# Altium PCB PCB_Project_Final.PcbDoc
Units mm, origin at the board's own origin, x right, y up, seen from the top; angles counter-clockwise.
Board outline 92.08 x 86.99 mm, 2 copper layers (Top Layer, Bottom Layer); 83 components, 57 nets, 292 pads, 64 vias.
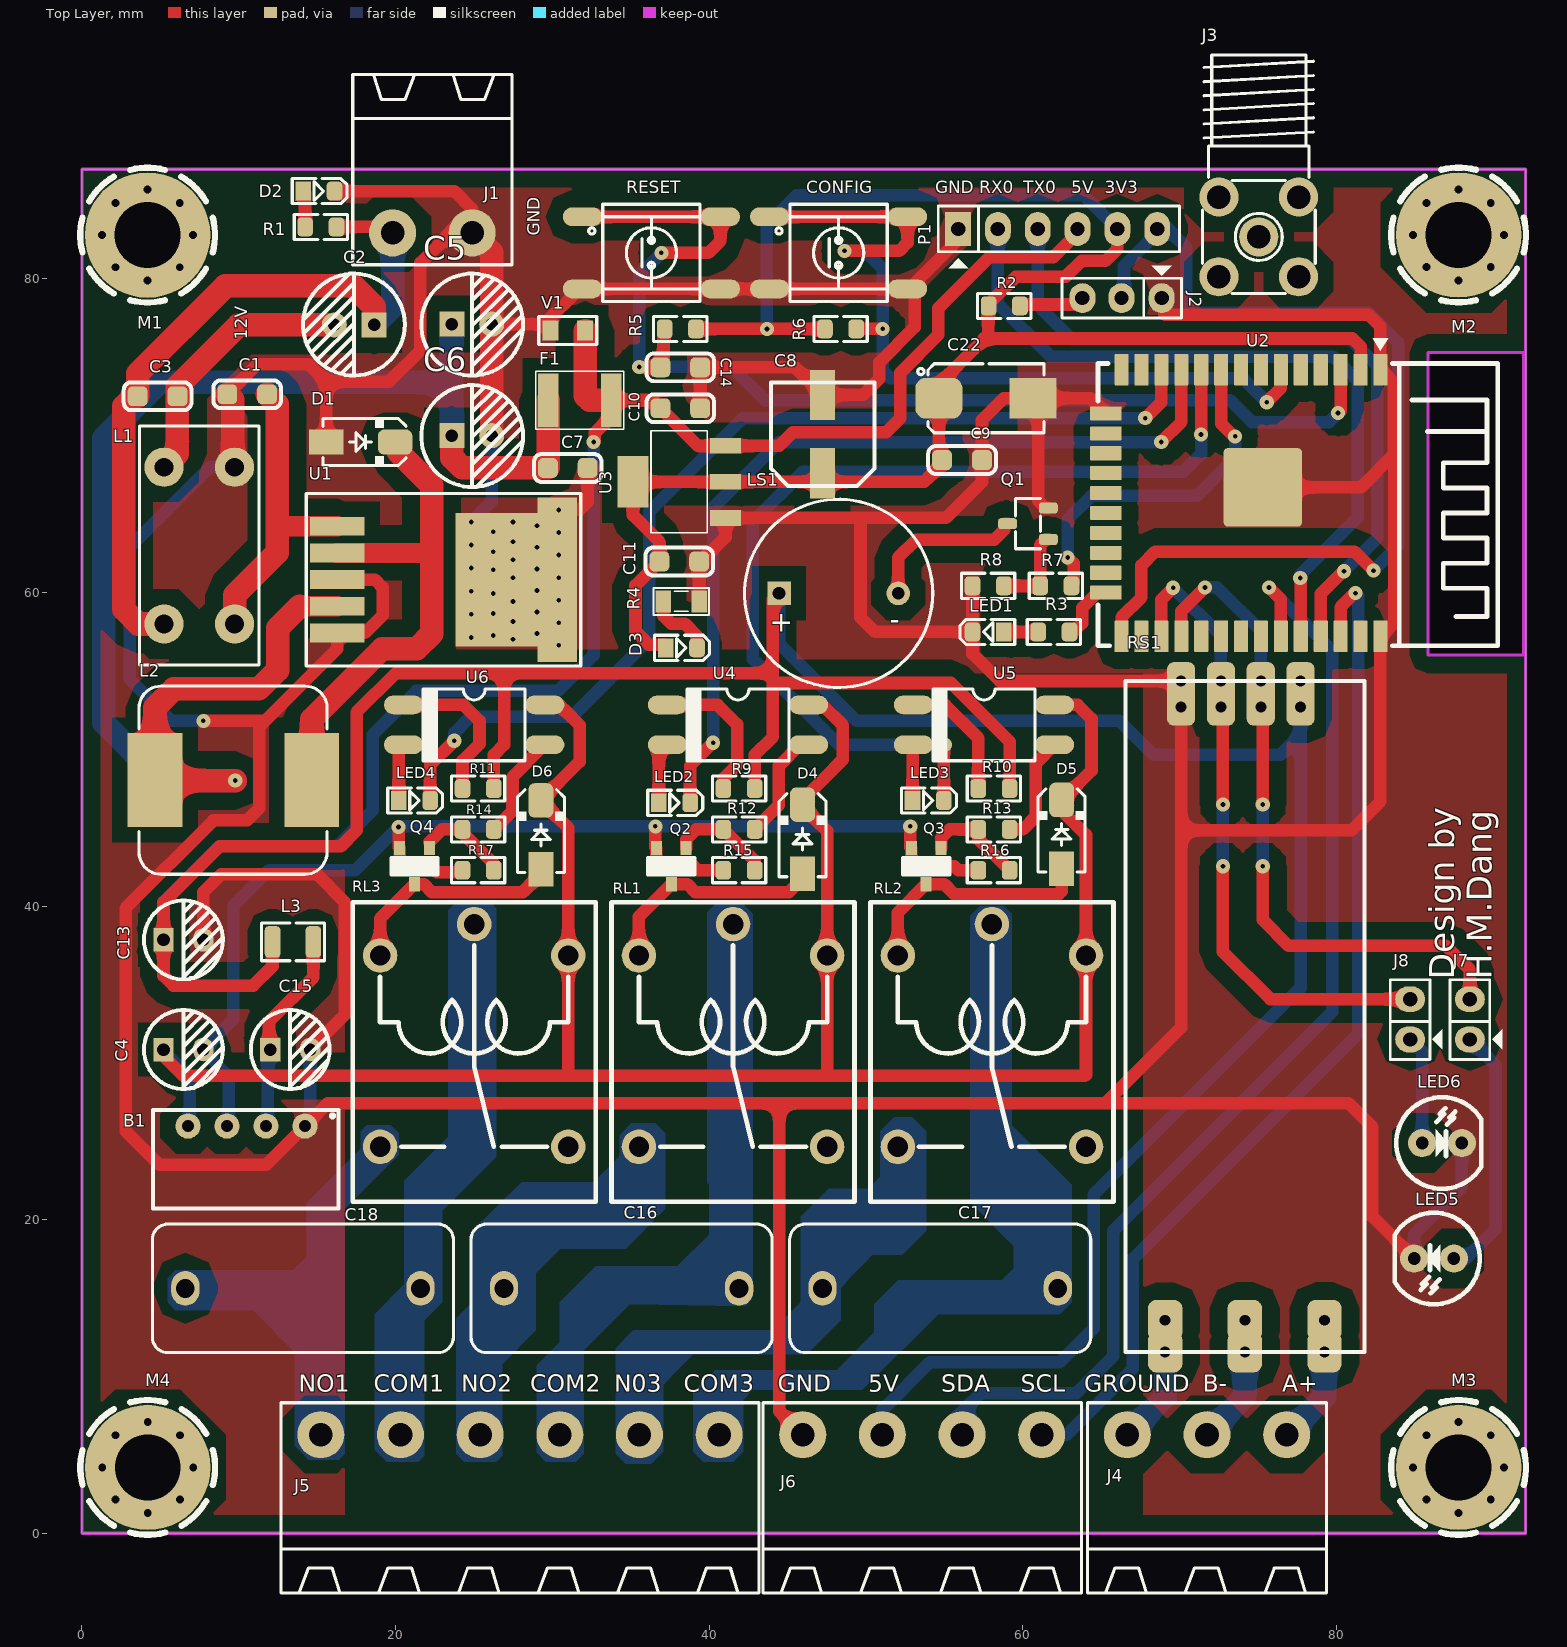
[diagram p0: Top Layer view]
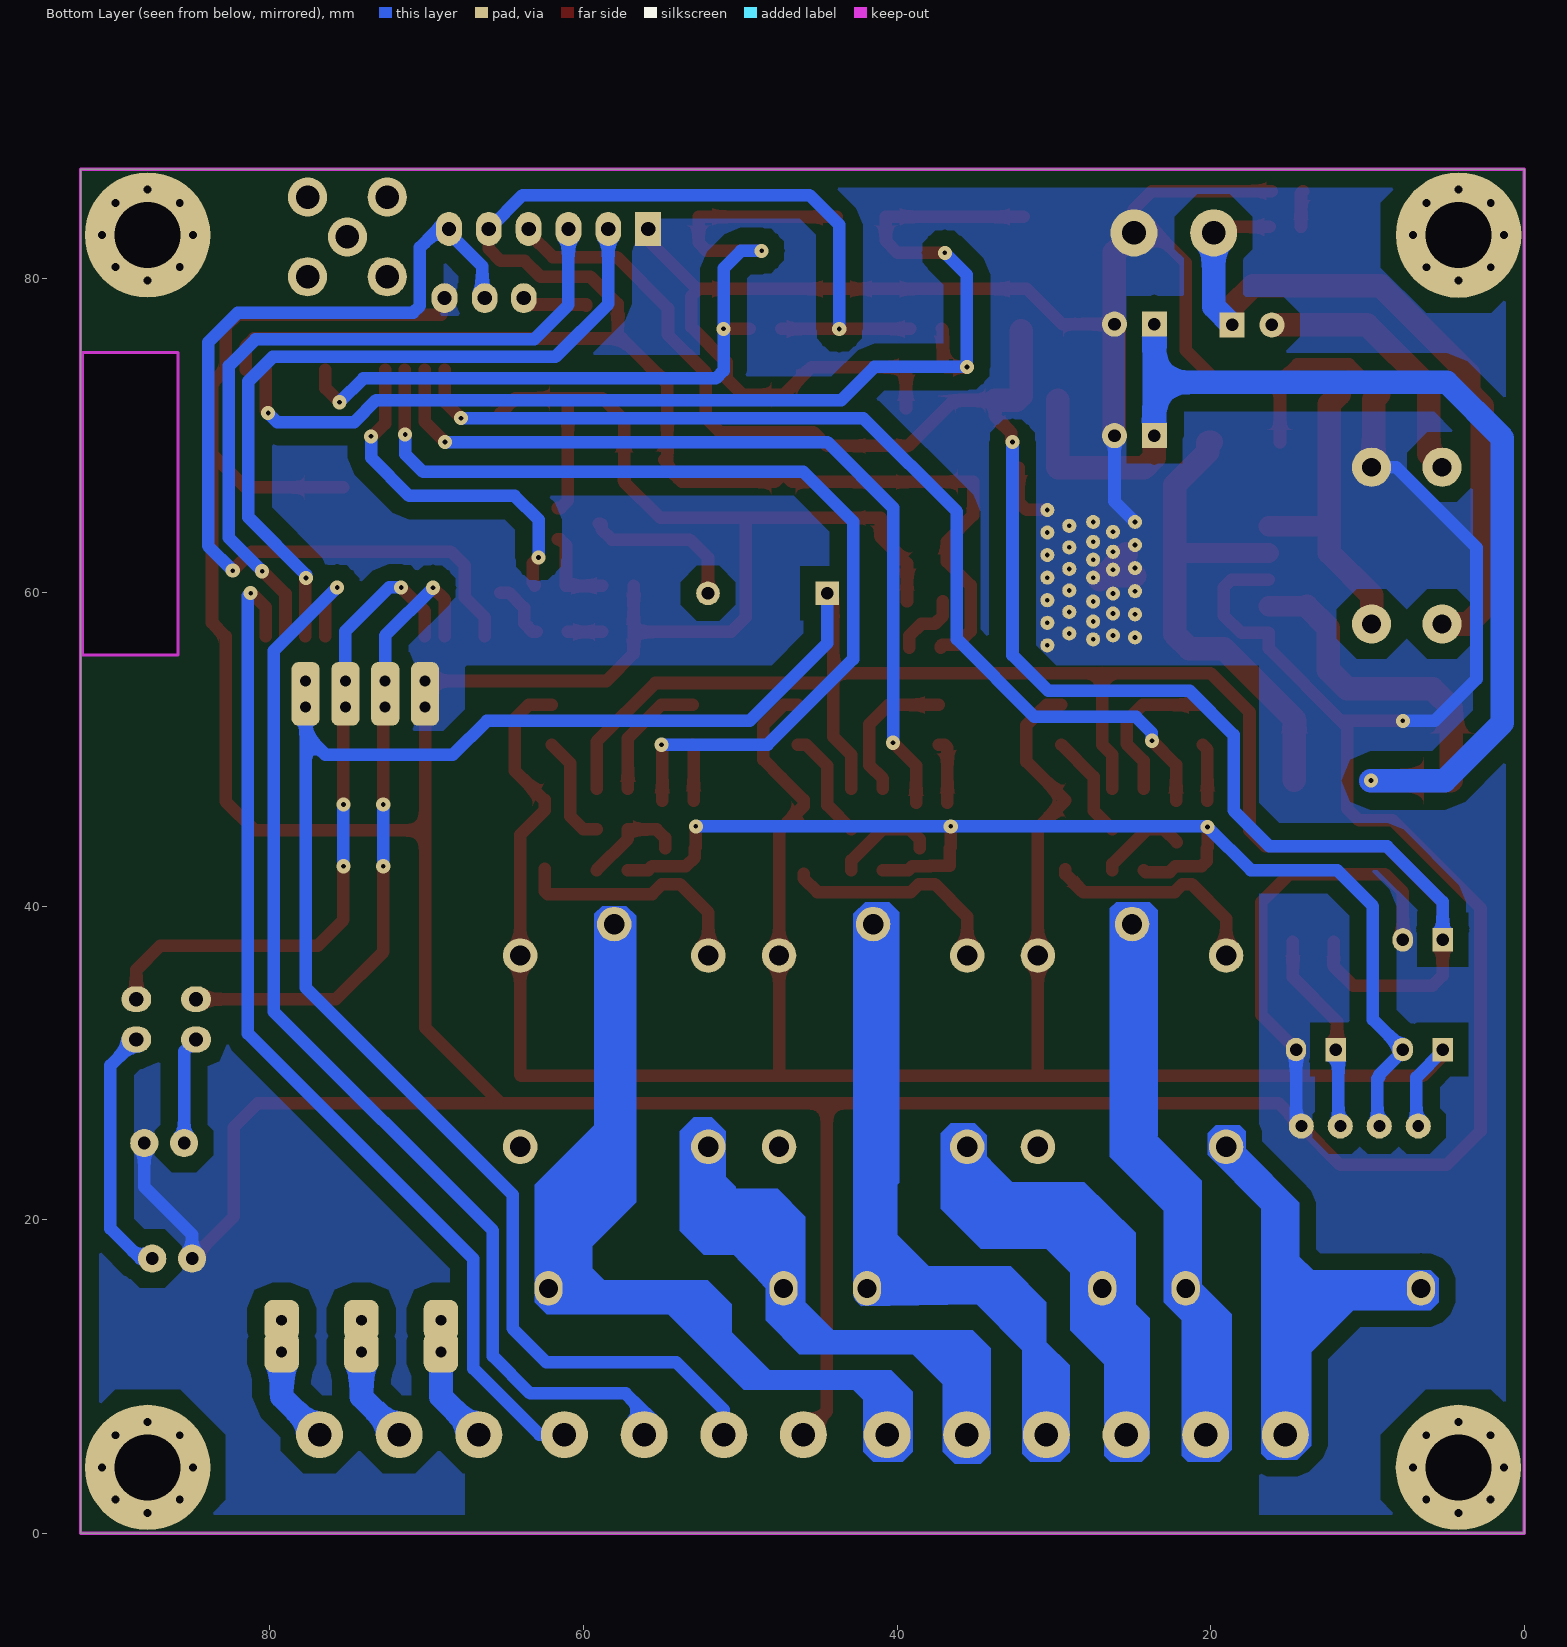
[diagram p1: Bottom Layer view, seen from below]
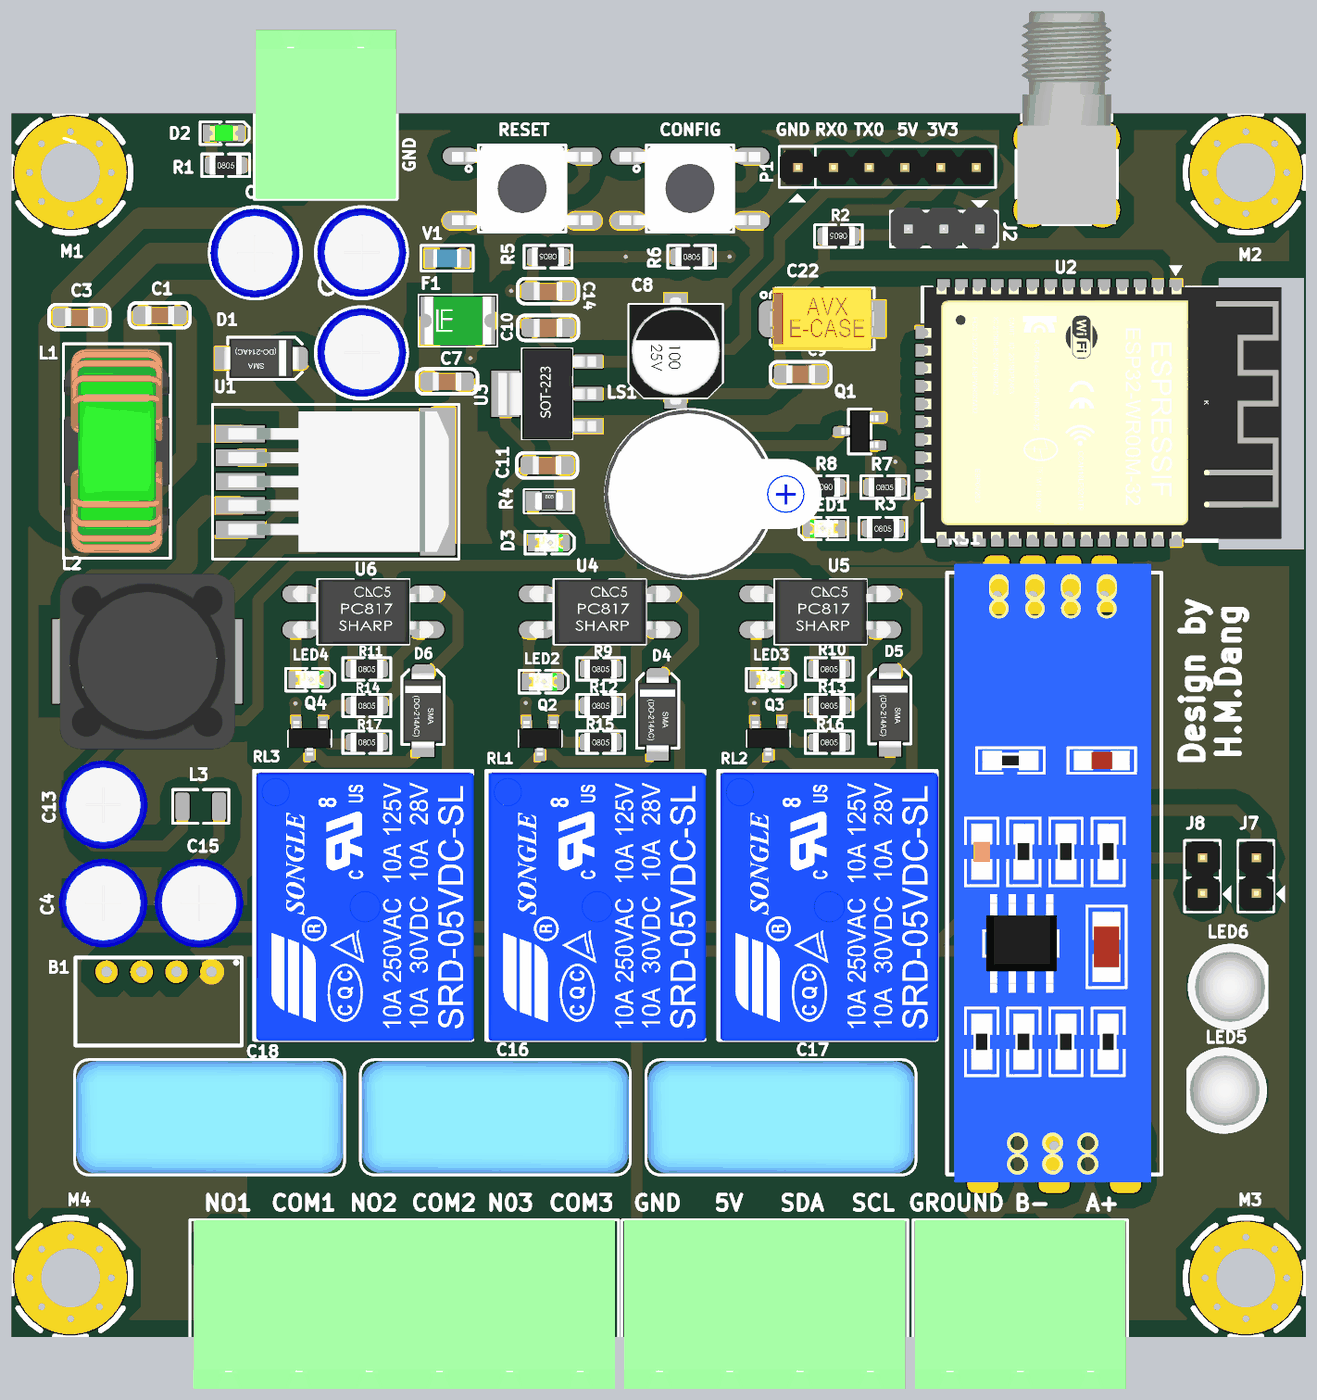
[diagram p2: 3D render of the assembled board from above, using the file's embedded part models]

## Layer stack, top to bottom
Top Solder: solder mask 0.0102, Solder Resist, Dk 3.5
Top Layer: signal copper 0.0356
Dielectric 1: dielectric 0.32, FR-4, Dk 4.8
Bottom Layer: signal copper 0.0356
Bottom Solder: solder mask 0.0102, Solder Resist, Dk 3.5

## Board outline
0,0 0,86.995 92.075,86.995 92.075,0
cut-out: 85.852,75.311 91.948,75.311 91.948,56.007 85.852,56.007

## Design rules (kind name [scope] priority, off if disabled: settings)
Clearance [All] p1: gap=0.3 ignorepadtopadclearanceinfootprint=FALSE except(1: Arc-Fill Arc-Poly Arc-Region Track-Fill Track-Poly Track-Region SMDPad-Fill SMDPad-Poly SMDPad-Region THPad-Fill THPad-Poly THPad-Region Via-Fill Via-Poly Via-Region Fill-Fill Fill-Poly Fill-Region Poly-Poly Poly-Region Region-Region)
PlaneConnect [All] p1: planeconnectstyle=Direct reliefexpansion=0.508 reliefentries=4 reliefconductorwidth=0.254 reliefairgap=0.254
PolygonConnect [All] p1: connectstyle=Direct reliefconductorwidth=0.254 reliefentries=4 polygonreliefangle="90 Angle" airgapwidth=0.254
RoutingVias [All] p1: holewidth=0.3 width=0.8 viastyle="Through Hole" minholewidth=0.3 minwidth=0.8 maxholewidth=0.6 maxwidth=1.2
SolderMaskExpansion [All] p1: expansion=0.102 istentingtop=FALSE
Width [All] p1: maxlimit=1.5 minlimit=0.3 preferedwidth=0.8
29 further rules are at their usual default settings.

## Components (designator, comment, footprint, x,y, rotation, side; value= is the part's Value field where it differs from the comment)
B1 "B0505_DC/DC_1W" B0505S_DC/DC_1W 16.012,29.108 r180 top
C1 "0.1 uF" cap_0805 10.541,72.644 r0 top
C2 "100uF/35V" "tu hoa 6.5mm" 17.343,77.088 r180 top
C3 "0.1 uF" cap_0805 4.826,72.517 r180 top
C4 "10uF/16V" "tu hoa 5mm" 6.477,30.852 r0 top
C5 "220uF/16V" "tu hoa 6.5mm" 24.892,77.089 r0 top
C6 "220uF/16V" "tu hoa 6.5mm" 24.892,69.977 r0 top
C7 "0.1uF" cap_0805 30.988,67.945 r180 top
C8 "100uF" "tu nhom 6.3 (d)" 47.244,70.104 r90 top
C9 "100nF" cap_0805 56.134,68.453 r0 top
C10 "100nF" cap_0805 38.163,71.751 r0 top
C11 "100nF" cap_0805 38.1,61.976 r0 top
C13 "4.7uF/25V" "tu hoa 5mm" 6.477,37.846 r0 top
C14 "100nF" cap_0805 38.163,74.362 r0 top
C15 "4.7uF/25V" "tu hoa 5mm" 13.288,30.852 r0 top
C16 "470nF" C_PLY_19X8 34.417,15.621 r180 top
C17 "470nF" C_PLY_19X8 54.737,15.621 r180 top
C18 "470nF" C_PLY_19X8 14.097,15.621 r180 top
C22 "100uF" C_TN_7343 57.658,72.39 r0 top
CONFIG "PUSHBUTTON" SWPBS_SPDT_6X6X5 48.26,81.661 r0 top (schematic designator CONFIG1)
D1 "1N5822" DIODE_SMD 17.78,69.596 r0 top
D2 "LED0805" LED0805 15.113,85.598 r0 top
D3 "LED805BLU" LED0805RED 38.227,56.471 r0 top
D4 "1N4007" D_SMA 45.962,44.274 r90 top
D5 "1N4007" D_SMA 62.484,44.577 r90 top
D6 "1N4007" D_SMA 29.271,44.539 r90 top
F1 "8V 2A" FUSE_RESETTABLE_SMD_1812 31.75,72.263 r0 top
J1 "CONN_TB2" MSTB_2 22.352,82.931 r0 top
J2 "Jumper 3" JP3 66.324,78.777 r180 top value=J3
J3 "SMA" SMA_RA 75.057,82.677 r0 top
J4 "CONN_TB3" MSTB_3 71.755,6.296 r180 top
J5 "CONN_TB6" MSTB_6 27.94,6.296 r180 top
J6 "CONN_TB4" MSTB_4 53.594,6.296 r180 top
J7 "Jumper 2" JP2 88.519,31.496 r90 top value="JP 2"
J8 "Jumper 2" JP2 84.709,31.496 r90 top value="JP 2"
L1 "FL2D-10-472" INDC_FL2D-10-472 7.493,62.992 r270 top
L2 "33uF/3A" "L_BODY 12X12" 9.663,48.031 r180 top
L3 "6.8uH" L1008 13.462,37.719 r0 top
LED1 "LED" LED0805GRN 57.798,57.486 r180 top value="LED 3 - 5 ly 2 Colour"
LED2 "LED" LED0805BLU 37.792,46.588 r0 top value="LED 3 - 5 ly 2 Colour"
LED3 "LED" LED0805BLU 53.975,46.736 r0 top value="LED 3 - 5 ly 2 Colour"
LED4 "LED" LED0805BLU 21.209,46.736 r0 top value="LED 3 - 5 ly 2 Colour"
LED5 "LED_R_3" LED5R 87.503,17.526 r180 top value=Red
LED6 "LED_R_3" LED5R 85.471,24.892 r0 top value=Red
LS1 "Buzzer" Buzzer 48.26,59.944 r0 top
M1 "DNP/MH" SCMH_M4 4.191,82.795 r0 top
M2 "DNP/MH" SCMH_M4 87.8,82.8 r0 top
M3 "DNP/MH" SCMH_M4 87.8,4.2 r0 top
M4 "DNP/MH" SCMH_M4 4.2,4.2 r0 top
P1 "Header 6" JP6 55.88,83.185 r0 top
Q1 "C1815" SOT23_3 60.338,64.388 r180 top
Q2 "C1815_SMD" trans_smd 37.592,42.545 r180 top
Q3 "C1815_SMD" trans_smd 53.848,42.545 r180 top
Q4 "C1815_SMD" trans_smd 21.209,42.545 r180 top
R1 "1.8K" R0805 15.24,83.312 r0 top
R2 "10K" R0805 58.826,78.28 r180 top
R3 "1K" R0805 61.989,57.486 r0 top
R4 "4.7k" RES-SMD-0805 38.227,59.436 r0 top
R5 "10K" R0805 38.163,76.808 r180 top
R6 "10K" R0805 48.387,76.808 r0 top
R7 "1K" R0805 62.116,60.424 r0 top
R8 "10K" R0805 57.798,60.424 r180 top
R9 "1k" R0805 41.91,47.498 r0 top
R10 "1k" R0805 58.166,47.498 r0 top
R11 "1k" R0805 25.273,47.498 r0 top
R12 "1k" R0805 41.91,44.895 r0 top
R13 "1k" R0805 58.166,44.895 r0 top
R14 "1k" R0805 25.273,44.895 r0 top
R15 "1k" R0805 41.91,42.291 r0 top
R16 "1k" R0805 58.166,42.291 r0 top
R17 "1k" R0805 25.273,42.291 r0 top
RESET "PUSHBUTTON" SWPBS_SPDT_6X6X5 36.322,81.661 r0 top (schematic designator RESET1)
RL1 "Relay 5V/10A" RL_10A_5V 41.529,31.75 r270 top value="Relay SPDT, 10A, 12V"
RL2 "Relay 5V/10A" RL_10A_5V 58.039,31.75 r270 top value="Relay SPDT, 10A, 12V"
RL3 "Relay 5V/10A" RL_10A_5V 25.019,31.75 r270 top value="Relay SPDT, 10A, 12V"
RS1 "RS485_VISION2" "RS485 - Version2" 57.658,76.454 r270 top
U1 "LM2596" TO263-5 15.813,60.82 r270 top
U2 "ESP-WROOM-32" "ESP32 WROOM" 82.816,74.206 r270 top
U3 "AMS1117_3V3" SOT223-4M 37.846,67.056 r90 top
U4 "PC817" PhotoCoupler_SMD 41.844,51.562 r0 top
U5 "PC817" PhotoCoupler_SMD 57.531,51.562 r0 top
U6 "PC817" PhotoCoupler_SMD 25.019,51.562 r0 top
V1 "8.5V 40A" INDC0805 30.988,76.708 r180 top

## Footprints (in the part's own frame and the unit in brackets; to place one, negate y for a bottom-side part, rotate by r counter-clockwise, add the part's x,y. Pads: shape width x height; smd on the part's side, far side on the other; paste and mask are expansions set on the pad)
B0505S_DC/DC_1W [mm]
  round 1.6 hole 0.762: 1(1.79,3.14) 2(4.277,3.14) 3(6.763,3.14) 4(9.25,3.14)
  silkscreen extent -0.36,2.12 11.47,8.38, body extent -0.29,2.28 11.31,8.28, height 10.16
Buzzer [mm] "2PIN, 3.5mm pitch, 0.8mm pin width"
  rect 1.5x1.5 hole 0.8: 1(-3.8,0)
  round 1.5 hole 0.8: 2(3.8,0)
  silkscreen extent -6,-6 6,6, body extent -6.08,-6.01 9.37,5.99, height 9.65
C_PLY_19X8 [mm] "CAP, POLYESTER, MKT, 18X5, 19.0X8.0mm pitch: 15.0mm, 0.22uF 400V"
  oval 1.8x2.2 hole 1.2: 1(-7.5,0) 2(7.5,0)
  silkscreen extent -9.6,-4.1 9.6,4.1, body extent -9.5,-4 9.5,4, height 16
C_TN_7343 [mm] "CAPACITOR, TAN D, TAN E, TAN Y, TAN X, 7343P, 7.3X4.3mm"
  rrect50% 3x2.6 smd: 1(-3,0)
  rect 3x2.6 smd: 2(3,0)
  Top Layer pour cut-out: -2.032,2.2 -2.032,-2.2 2.032,-2.2 2.032,2.2
  silkscreen extent -4.35,-2.2 3.7,2.2, body extent -3.7,-2.22 3.7,2.23, height 4.2
cap_0805 [mm]
  rrect50% 1.27x1.27 smd: 1(-1.27,0) 2(1.27,0)
  silkscreen extent -2.16,-0.89 2.16,0.89, body extent -1.01,-0.64 1.01,0.64, height 0.61
D_SMA [mm] "SMA Molded Diode, 2-Leads, Body 4.3x2.7mm, SOD-128"
  rect 2.2x1.6 smd: 1(-2.2,0)
  rrect50% 2.2x1.6 smd: 2(2.2,0)
  silkscreen extent -2.4,-1.5 2.9,1.5, body extent -2.75,-1.4 2.75,1.4, height 2.6
DIODE_SMD [mm] "SMA Molded Diode, 2-Leads, Body 4.3x2.7mm, SOD-128"
  rect 2.2x1.6 smd: 1(-2.2,0)
  rrect50% 2.2x1.6 smd: 2(2.2,0)
  silkscreen extent -2.4,-1.5 2.9,1.5, body extent -2.75,-1.4 2.75,1.4, height 2.6
"ESP32 WROOM" [mm] "ESP32 WROOM"
  rrect10% 2x0.9 smd: 1(0,0) 2(0,-1.27) 3(0,-2.54) 4(0,-3.81) 5(0,-5.08) 6(0,-6.35) 7(0,-7.62) 8(0,-8.89) 9(0,-10.16) 10(0,-11.43) 11(0,-12.7) 12(0,-13.97) 13(0,-15.24) 14(0,-16.51) 25(17,-16.51) 26(17,-15.24) 27(17,-13.97) 28(17,-12.7) 29(17,-11.43) 30(17,-10.16) 31(17,-8.89) 32(17,-7.62) 33(17,-6.35) 34(17,-5.08) 35(17,-3.81) 36(17,-2.54) 37(17,-1.27) 38(17,0)
  rrect10% 0.9x2 smd: 15(2.785,-17.51) 16(4.055,-17.51) 17(5.325,-17.51) 18(6.595,-17.51) 19(7.865,-17.51) 20(9.135,-17.51) 21(10.405,-17.51) 22(11.675,-17.51) 23(12.945,-17.51) 24(14.215,-17.51)
  rrect10% 5x5 smd: 39(7.5,-7.5)
  silkscreen extent -2,-18.02 17.6,7.49, body extent -0.45,-17.9 17.45,7.5, height 2.61
FUSE_RESETTABLE_SMD_1812 [mm] "Fuse"
  rect 1.3x3.4 smd: 1(-2,0) 2(2,0)
  silkscreen extent -2.8,-1.85 2.8,1.85, body extent -2.35,-1.7 2.38,1.71, height 1.34
INDC0805 [mm]
  rect 1x1.3 smd: 1(-1.1,0) 2(1.1,0)
  silkscreen extent -1.85,-0.9 1.85,0.9, body extent -1,-0.65 1,0.65, height 1.18
INDC_FL2D-10-472 [mm]
  round 2.5 hole 1.2: 1(-5,-2.25) 2(5,-2.25) 3(5,2.25) 4(-5,2.25)
  silkscreen extent -7.62,-3.81 7.62,3.81, body extent -7.25,-3.75 7.25,3.75, height 15.95
JP2 [mil]
  oval 65x75 hole 36: 1(0,0) 2(101,0)
  silkscreen extent -50,-81 150,50, body extent -48,-50 148,48, height 323
JP3 [mil] "Jumper 3"
  oval 65x75 hole 36: 1(-100,0) 2(1,0) 3(99,0)
  silkscreen extent -150,-81 150,50, body extent -150,-60 150,55, height 355
JP6 [mil] "JP6"
  rect 65x85 hole 36: 1(0,0)
  oval 65x85 hole 36: 2(100,0) 3(200,0) 4(300,0) 5(400,0) 6(500,0)
  silkscreen extent -50,-99 556,58, body extent -48,-50 548,48, height 323
L1008 [mm] "INDUCTOR, 2520 1008, 2.5X2.0mm"
  rrect50% 1x2 smd: 1(-1.3,0) 2(1.3,0)
  Top Layer pour cut-out: -0.8,1.2 -0.8,-1.2 0.8,-1.2 0.8,1.2
  silkscreen extent -2,-1.2 2,1.2, body extent -1.25,-1 1.25,1, height 1.2
"L_BODY 12X12" [mm] "Chip Inductor, Body 12x12mm, IPC High Density"
  rect 3.5x6 smd: 1(-5,0) 2(5,0)
  silkscreen extent -5.98,-6 6.02,6, body extent -6.25,-6.25 6.25,6.25, height 8
LED5R [mm]
  round 1.8 hole 0.8: 1(0,0) 2(2.54,0)
  silkscreen extent -1.65,-2.92 3.77,2.92, body extent -1.71,-3.01 3.71,3.01, height 12.31
LED0805 [mm] "LED SMD 0805"
  rect 1x1.2 smd mask+0.075: 1(-1,0)
  rrect50% 1x1.2 smd mask+0.075: 2(1,0)
  Top Layer pour cut-out: -0.5,0.8 0.5,0.8 0.5,-0.8 -0.5,-0.8
  silkscreen extent -1.7,-0.8 1.8,0.8, body extent -1.01,-0.62 1.01,0.63, height 1.1
LED0805BLU [mm] "LED SMD 0805, BLUE"
  rect 1x1.2 smd mask+0.075: 1(-1,0)
  rrect50% 1x1.2 smd mask+0.075: 2(1,0)
  Top Layer pour cut-out: -0.5,0.8 0.5,0.8 0.5,-0.8 -0.5,-0.8
  silkscreen extent -1.7,-0.8 1.8,0.8, body extent -1,-0.63 1,0.63, height 0.7
LED0805GRN [mm] "LED SMD 0805, GREEN"
  rect 1x1.2 smd mask+0.075: 1(-1,0)
  rrect50% 1x1.2 smd mask+0.075: 2(1,0)
  Top Layer pour cut-out: -0.5,0.8 0.5,0.8 0.5,-0.8 -0.5,-0.8
  silkscreen extent -1.7,-0.8 1.8,0.8, body extent -1,-0.63 1,0.63, height 0.7
LED0805RED [mm] "LED SMD 0805, RED"
  rect 1x1.2 smd mask+0.075: 1(-1,0)
  rrect50% 1x1.2 smd mask+0.075: 2(1,0)
  Top Layer pour cut-out: -0.5,0.8 0.5,0.8 0.5,-0.8 -0.5,-0.8
  silkscreen extent -1.7,-0.8 1.8,0.8, body extent -1,-0.63 1,0.63, height 0.7
MSTB_2 [mm] "PHOENIX MSTB 2, 5-G, 5.08mm pitch, 2pin"
  round 3 hole 1.5: 1(-2.54,0) 2(2.54,0)
  silkscreen extent -5.08,-2.03 5.08,10.1, body extent -5,-2 5,10, height 8.7
MSTB_3 [mm] "PHOENIX MSTB 2, 5-G, 5.08mm pitch, 3pin"
  round 3 hole 1.5: 1(-5.08,0) 2(0,0) 3(5.08,0)
  silkscreen extent -7.62,-2.03 7.62,10.1, body extent -7.5,-2 7.5,10, height 8.6
MSTB_4 [mm] "PHOENIX MSTB 2, 5-G, 5.08mm pitch"
  round 3 hole 1.5: 1(-7.62,0) 2(-2.54,0) 3(2.54,0) 4(7.62,0)
  silkscreen extent -10.16,-2.03 10.16,10.1, body extent -10,-2 10,10, height 8.6
MSTB_6 [mm] "PHOENIX MSTB 2, 5-G, 5.08mm pitch"
  round 3 hole 1.5: 1(-12.7,0) 2(-7.62,0) 3(-2.54,0) 4(2.54,0) 5(7.62,0) 6(12.7,0)
  silkscreen extent -15.24,-2.03 15.24,10.1, body extent -15,-2 15,10, height 8.6
PhotoCoupler_SMD [mm]
  oval 2.5x1.2 smd: 1(-4.5,1.27) 2(-4.5,-1.27) 3(4.5,-1.27) 4(4.5,1.27)
  silkscreen extent -3.25,-2.29 3.25,2.32, body extent -5,-2.28 5,2.3, height 3.91
R0805 [mm] "CHIP RESISTOR 1/8 WATT ,2.0X1.3mm, 0805, 2012"
  rrect50% 1x1.2 smd mask+0.05: 1(-1,0) 2(1,0)
  Top Layer pour cut-out: -0.5,0.8 0.5,0.8 0.5,-0.8 -0.5,-0.8
  silkscreen extent -1.7,-0.8 1.7,0.8, body extent -1.15,-0.67 1.15,0.68, height 0.76
RES-SMD-0805 [mil]